# Altium PCB camera_module_PCB_V1R1.PcbDoc (part 2 of 2)
Units mil, origin at the board's own origin, x right, y up, seen from the top; angles counter-clockwise.
Board outline 5500 x 3000 mil, 4 copper layers (Component Side, Ground Plane, Power Plane, Solder Side), stack 33.234 mil thick; 119 components, 159 nets, 634 pads, 323 vias.
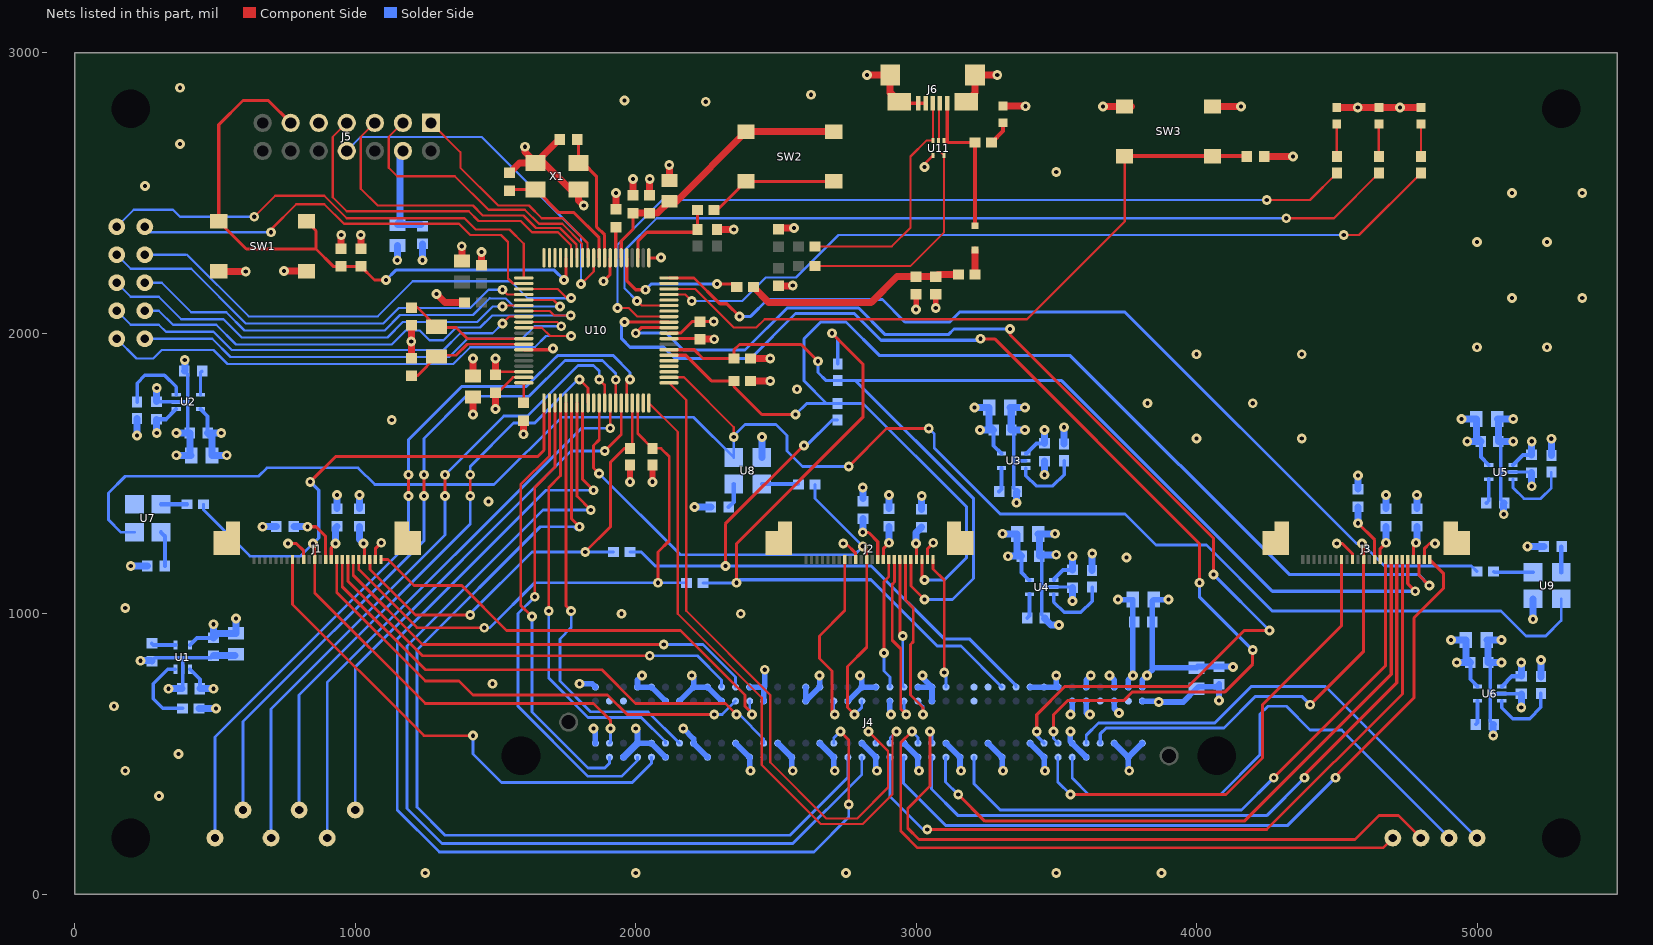
[diagram p4: the nets of this part, all layers, seen from the top]

## Via types
v1: diameter 35, hole 15, Component Side to Solder Side, 323 vias

## Nets (pads, with @x,y where several pads share a name; then routed paths per layer and width w, separated by ;. In a path a pad name is that pad's centre, name@x,y a point inside that pad or via, vN(x,y) a via of type N, cw(c..) or ccw(c..) an arc to the next point about the centre after c; other vN are vias at no path point) (continued)
GND: C1.2 C2.2 C3.2 C4.2 C5.2 C6.2 C7.2 C8.2 C9.2 C10.2 C11.2 C12.2 C13.2 C14.2 C15.2 C16.2 C17.2 C18.2 C19.2 C20.2 C21.2 C22.2 C23.2 C24.2 C25.2 C26.2 C27.2 C28.2 C29.2 C30.2 C31.2 C32.2 C33.2 C34.2 C35.2 C36.2 C37.2 C38.2 C39.2 C40.2 C41.2 C42.2 C45.2 C47.2 C48.2 C50.2 C51.2 C52.2 C54.2 C55.2 C56.2 C57.2 C58.1 C59.1 C60.2 C61.2 C62.2 C63.2 C64.2 C65.2 C66.2 D1.2 D3.2 D4.2 D5.2 J1.2 J1.15 J1.SH J2.2 J2.15 J2.SH J3.2 J3.15 J3.SH J4.C1 J4.C4 J4.C5 J4.C8 J4.C9 J4.C12 J4.C13 J4.C16 J4.C17 J4.C20 J4.C21 J4.C24 J4.C25 J4.C28 J4.C29 J4.C32 J4.C33 J4.C34 J4.C36 J4.C38 J4.C40 J4.D2 J4.D3 J4.D6 J4.D7 J4.D10 J4.D13 J4.D16 J4.D19 J4.D22 J4.D25 J4.D28 J4.D35 J4.D37 J4.D39 J4.G1 J4.G4 J4.G5 J4.G8 J4.G11 J4.G14 J4.G17 J4.G20 J4.G23 J4.G26 J4.G29 J4.G32 J4.G35 J4.G38 J4.G40 J4.H3 J4.H6 J4.H9 J4.H12 J4.H15 J4.H18 J4.H21 J4.H24 J4.H27 J4.H30 J4.H33 J4.H36 J4.H39 J5.9 J6.4 J6.5 J6.6 R33.2 SW1.3 SW1.4 SW3.3 SW3.4 U1.2 U2.2 U3.2 U4.2 U5.2 U6.2 U7.2 U8.2 U9.2 U10.14 U10.19 U10.49 U10.61 U10.68 U11.4 X1.2 X1.4 | length 12077.5
  Component Side w10: C50.2@1500,1788.5 1508.5,1788.5 1562.68,1842.68 U10.19@1601.14,1842.68
  Component Side w11: v1(760,1250) 790,1250 816.06,1223.94 J1.15@816.06,1192.6 ; J1.2@1071.97,1192.6 1071.97,1231.81 v1(1092.76,1252.6) ; U10.14@1601.14,1941.1 1701.1,1941.1 v1(1705,1945) ; v1(1885,2185) 1909.21,2209.21 U10.68@1909.21,2268.86 ; U10.61@2047.01,2268.86 2088.86,2268.86 v1(2090,2270) ; U10.49@2118.86,1980.47 2228.03,1980.47 C51.2@2230,1978.5 ; v1(2740,1250) 2750,1250 2784.57,1215.43 J2.15@2784.57,1192.6 ; v1(3030,2593.11) 3030,2603.11 U11.4@3060.31,2633.43 ; J2.2@3040.47,1192.6 3040.47,1231.81 v1(3061.26,1252.6) ; v1(4500,1250) 4520,1250 4556.22,1213.78 J3.15@4556.22,1192.6 ; J3.2@4812.13,1192.6 4812.13,1231.81 4830.31,1250 v1(4850,1250)
  Component Side w12: v1@2815,2920 v1@2825,2920
  Component Side w14: J6.6@2939.92,2824.92 2944.84,2820 J6.5@3008.23,2820 J6.4@3033.82,2820
  Component Side w20: v1(3000,2085) C61.2@3000,2138.5 ; v1(3070,2090) C62.2@3070,2138.5
  Component Side w25: SW1.3@514.92,2220 v1(610,2220) ; v1(746.5,2221.42) SW1.4@828.58,2221.42 ; C57.2@1020,2301.5 v1(1020,2350) ; C42.2@1200,1911.5 v1(1200,1970) C41.2@1200,2028.5 ; C45.2@1380,2257.4 v1(1380,2310) ; v1(1420,1710) C48.2@1420,1772.6 ; C47.2@1450,2241.5 v1(1450,2290) ; v1(1500,1730) C50.2@1500,1788.5 ; C40.2@1550,2571.5 1585.75,2607.24 X1.2@1643.23,2607.24 ; v1(1600,1640) C56.2@1600,1688.5 ; v1(1605,2665) 1605,2645.47 X1.2@1643.23,2607.24 ; C65.2@1728.5,2690 1725.98,2690 X1.2@1643.23,2607.24 ; v1(1815,2455) 1796.77,2473.23 X1.4@1796.77,2512.76 1767.24,2512.76 1672.76,2607.24 X1.2@1643.23,2607.24 ; C55.2@1930,2441.5 v1(1930,2500) ; C60.2@1990,2491.5 v1(1990,2550) ; C59.1@2050,2491.5 v1(2050,2550) ; C58.1@2120,2544.8 v1(2120,2600) ; C51.2@2230,1978.5 v1(2280,1978.5) ; R33.2@2290,2369.53 2349.53,2369.53 v1(2350,2370) ; C64.2@2510,2168.5 2558.5,2168.5 v1(2560,2170) ; C63.2@2510,2371.5 2513.5,2375 v1(2565,2375) ; v1@2825,2920 2825.39,2920.39 J6.6@2907.64,2920.39 2907.64,2857.2 J6.6@2939.92,2824.92 ; J6.6@3178.5,2824.92 3209.61,2856.02 J6.6@3209.61,2920.39 v1(3289.61,2920.39) ; D1.2@3310,2809.53 v1(3389.53,2809.53) v1@3390,2810 ; v1(3666.42,2808.58) SW3.4@3768.5,2808.58 ; SW3.3@4056.5,2808.58 v1(4158.58,2808.58) ; D5.2@4500,2804.53 D4.2@4650,2804.53 D3.2@4800,2804.53
  Solder Side w12: C10.2@274.65,830.79 286.14,842.28 385,842.28 ; C6.2@292.28,1756.14 293.43,1755 U2.2@361.69,1755 402.28,1755 ; C2.2@383.15,732.28 C2.2@384.65,733.78 ; C2.2@385,734.13 U1.2@385,801.69 385,842.28 ; C11.2@390.79,1864.65 402.28,1853.15 402.28,1755 ; 392.28,1754.65 402.28,1744.65 ; C7.2@410.79,1644.65 402.28,1653.15 402.28,1744.65 ; C3.2@494.65,850.79 486.14,842.28 385,842.28 ; C14.2@3339.21,1655.28 3347.72,1646.77 3347.72,1555.28 ; 3357.72,1545.28 3347.72,1555.28 ; C21.2@3359.21,1435.28 3347.72,1446.77 3347.72,1545 ; U3.2@3391.02,1545 3347.72,1545 ; C18.2@3439.21,1204.72 3447.72,1196.22 3447.72,1104.72 3457.44,1095 ; C13.2@3456.22,1545.28 C13.2@3457.72,1543.78 ; C22.2@3459.21,984.72 3447.72,996.22 3447.72,1095 3457.44,1095 ; C17.2@3557.72,1093.23 3555.94,1095 U4.2@3491.02,1095 3457.44,1095 ; C29.2@5039.21,825.59 5047.72,817.09 5047.72,725.59 ; 5057.72,715.59 5047.72,725.59 ; C33.2@5059.21,605.59 5047.72,617.09 5047.72,715 ; C25.2@5076.5,1614.41 5085,1605.91 5085,1505 ; C32.2@5096.5,1394.41 5085,1405.91 5085,1505 ; C28.2@5157.72,714.09 5156.22,715.59 5155.63,715 U6.2@5088.31,715 5047.72,715 ; C24.2@5192.91,1505 U5.2@5128.31,1505 5085,1505 ; C24.2@5193.5,1504.41 C24.2@5195,1502.91 ; 402.28,1744.65 402.28,1755 ; 3347.72,1545 3347.72,1555.28 ; 5047.72,715 5047.72,725.59
  Solder Side w20: v1(1800,750) 1844.57,750 J4.C1@1856.5,738.07 ; v1(1850,590) 1856.5,583.5 J4.G1@1856.5,538.07 ; v1(2000,590) 2006.5,583.5 J4.G4@2006.5,538.07 J4.G5@2056.5,538.07 J4.H6@2106.5,488.07 ; v1(2022.99,780) 2006.5,763.5 J4.C4@2006.5,738.07 J4.C5@2056.5,738.07 J4.D6@2106.5,688.07 ; J4.D7@2156.5,688.07 J4.C8@2206.5,738.07 ; v1(2170,590) 2206.5,553.5 J4.G8@2206.5,538.07 J4.H9@2256.5,488.07 ; v1(2200,780) 2206.5,773.5 J4.C8@2206.5,738.07 ; J4.D10@2306.5,688.07 J4.C9@2256.5,738.07 J4.C8@2206.5,738.07 ; J4.G11@2356.5,538.07 J4.H12@2406.5,488.07 2406.5,443.5 v1(2410,440) ; J4.C12@2406.5,738.07 J4.C13@2456.5,738.07 ; J4.D13@2456.5,688.07 J4.C13@2456.5,738.07 ; v1(2460,800) 2460,741.57 J4.C13@2456.5,738.07 ; J4.G14@2506.5,538.07 J4.H15@2556.5,488.07 2556.5,443.5 v1(2560,440) ; J4.C16@2606.5,738.07 J4.D16@2606.5,688.07 J4.C17@2656.5,738.07 2656.5,778.5 v1(2655,780) ; J4.G17@2656.5,538.07 J4.H18@2706.5,488.07 2706.5,443.5 v1(2710,440) ; J4.D19@2756.5,688.07 J4.C20@2806.5,738.07 ; v1(2800,780) 2806.5,773.5 J4.C20@2806.5,738.07 ; J4.G20@2806.5,538.07 J4.H21@2856.5,488.07 2856.5,443.5 v1(2860,440) ; J4.C21@2856.5,738.07 J4.C20@2806.5,738.07 ; J4.D22@2906.5,688.07 2906.5,643.5 v1(2910,640) ; J4.G23@2956.5,538.07 J4.H24@3006.5,488.07 3006.5,443.5 v1(3010,440) ; J4.C24@3006.5,738.07 J4.C25@3056.5,738.07 ; v1@3018.78,775.79 v1(3022.99,780) ; v1@3022.99,771.57 J4.C25@3056.5,738.07 ; J4.D25@3056.5,688.07 J4.C25@3056.5,738.07 ; J4.G26@3106.5,538.07 J4.H27@3156.5,488.07 3156.5,443.5 v1(3160,440) ; J4.G29@3256.5,538.07 J4.H30@3306.5,488.07 3306.5,443.5 v1(3310,440) ; J4.G32@3406.5,538.07 J4.H33@3456.5,488.07 3456.5,443.5 v1(3460,440) ; J4.C32@3406.5,738.07 J4.C33@3456.5,738.07 J4.C34@3506.5,738.07 3500,744.57 v1(3500,780) ; v1(3550,580) 3550,544.57 J4.G35@3556.5,538.07 J4.H36@3606.5,488.07 ; v1(3550,640) 3556.5,646.5 J4.D35@3556.5,688.07 ; J4.C36@3606.5,738.07 3606.5,763.5 v1(3622.99,780) ; v1(3690,780) 3706.5,763.5 J4.C38@3706.5,738.07 ; J4.G38@3706.5,538.07 J4.H39@3756.5,488.07 ; v1(3760,440) 3756.5,443.5 J4.H39@3756.5,488.07 ; J4.G40@3806.5,538.07 J4.H39@3756.5,488.07 ; J4.C40@3806.5,738.07 3806.5,763.3 3808.49,765.3 3808.49,765.5 v1(3822.99,780) 3841.5,798.5 ; v1(3900,1050) C37.2@3847.4,1050 3841.5,1044.09 C38.2@3841.5,970 3841.5,798.5 ; v1(4130,810) 4128.5,811.5 C39.2@4080,811.5 4004.09,811.5 C66.2@4000,807.4 3850.39,807.4 3841.5,798.5
  Solder Side w25: v1(200,1170) C34.2@258.5,1170 ; v1(234.65,832.28) 273.15,832.28 C10.2@274.65,830.79 ; C6.2@292.28,1756.14 v1(292.28,1804.65) ; v1(334.65,732.28) C2.2@383.15,732.28 ; v1(362.28,1564.65) C8.2@414.88,1564.65 ; v1(362.28,1644.65) C7.2@410.79,1644.65 C8.2@410.79,1568.74 ; C11.2@390.79,1864.65 392.28,1866.14 v1(392.28,1904.65) ; C3.2@494.65,850.79 C4.2@570.55,850.79 ; v1(670,1310) C1.2@718.5,1310 ; C5.2@935.28,1374.09 v1(935.28,1422.6) ; C9.2@1015.28,1374.09 v1(1015.28,1422.6) ; v1(1150,2260) C52.2@1150,2312.6 ; v1(1240,2260) C54.2@1240,2318.5 ; J4.H3@1956.5,488.07 J4.G4@2006.5,538.07 ; v1(2210,1380) C35.2@2268.5,1380 ; U8.2@2450,1557.24 v1(2450,1630) ; C12.2@2810,1411.5 v1(2810,1450) ; C16.2@2903.78,1374.09 v1(2903.78,1422.6) ; C20.2@3020,1371.5 v1(3020,1420) ; C15.2@3335.12,1735.28 v1(3387.72,1735.28) ; C15.2@3339.21,1731.18 C14.2@3339.21,1655.28 v1(3387.72,1655.28) ; v1(3357.72,1395.28) 3357.72,1433.78 C21.2@3359.21,1435.28 ; C19.2@3435.12,1284.72 v1(3494.72,1284.72) ; C19.2@3439.21,1280.63 C18.2@3439.21,1204.72 3444.49,1210 v1(3500,1210) ; v1(3457.72,1495.28) C13.2@3457.72,1543.78 ; C22.2@3459.21,984.72 3457.72,983.23 3480.94,960 v1(3510,960) ; v1(3557.72,1044.72) C17.2@3557.72,1093.23 ; C23.2@4575.43,1444.09 v1(4575.43,1492.6) ; C27.2@4675.43,1374.09 v1(4675.43,1422.6) ; C31.2@4785.43,1374.09 v1(4785.43,1422.6) ; C30.2@5035.12,905.59 v1(5087.72,905.59) ; C30.2@5039.21,901.5 C29.2@5039.21,825.59 v1(5087.72,825.59) ; v1(5057.72,565.59) 5057.72,604.09 C33.2@5059.21,605.59 ; C26.2@5072.4,1694.41 v1(5129.41,1694.41) ; C26.2@5076.5,1690.31 C25.2@5076.5,1614.41 v1(5129.41,1614.41) ; v1(5095,1354.41) 5095,1392.91 C32.2@5096.5,1394.41 ; v1(5157.72,665.59) C28.2@5157.72,714.09 ; v1(5180,1240) C36.2@5238.5,1240 ; v1(5195,1454.41) C24.2@5195,1502.91 ; v1(5200,980) U9.2@5200,1052.76
  other v1: 1250,75 2000,75 2750,75 3500,75 3875,75 300,350 180,440 370,500 140,670 1490,750 1950,1000 2375,1000 180,1020 3750,1200 1475,1400 4000,1625 4375,1625 1130,1690 3825,1750 4200,1750 2575,1800 4000,1925 4375,1925 5000,1950 5250,1950 5125,2125 5375,2125 5000,2325 5250,2325 5125,2500 5375,2500 250,2525 3500,2575 375,2675 4575,2804.53 4725,2804.53 2250,2825 1960,2830 2625,2850 375,2875 2825,2920.39
HREF_1: J1.9 J4.D11 | length 1739.5
  Component Side w10: J1.9@934.17,1192.6 934.17,1075.83 1250,760 1370,760 1420,710 1900,710 1970,640 v1(2280,640)
  Solder Side w10: v1(2280,640) 2308.43,640 J4.D11@2356.5,688.07
HREF_2: J2.9 J4.C22 | length 470.8
  Component Side w10: v1(2885,860) 2885,1115 2902.68,1132.68 J2.9@2902.68,1192.6
  Solder Side w10: v1(2885,860) 2885,795 2906.5,773.5 J4.C22@2906.5,738.07
HREF_3: J3.9 J4.H28 | length 2192.4
  Component Side w11: v1(4275,415) 4275,415.67 4674.33,815 J3.9@4674.33,1192.6
  Solder Side w11: J4.H28@3206.5,488.07 3206.5,393.5 3300,300 4160,300 v1(4275,415)
JTAG_/RST: C57.1 J5.11 R25.1 SW1.1 SW1.2 U10.76 | length 2211.4
  Component Side w11: J5.11@770,2750 690,2830 600,2830 513.5,2743.5 SW1.1@513.5,2398.58 612.09,2300 860,2300 ; SW1.2@826.5,2398.58 860,2365.08 860,2300 ; v1(1110,2190) 1068.5,2190 C57.1@1020,2238.5 R25.1@950,2238.5 921.5,2238.5 860,2300 ; v1(1745,2190) 1751.73,2196.73 U10.76@1751.73,2268.86
  Solder Side w11: v1(1110,2190) 1145,2225 1710,2225 v1(1745,2190)
JTAG_TCK: J5.7 U10.75 | length 1251.6
  Component Side w8: J5.7@970,2750 920,2700 920,2485 970,2435 1405,2435 1440,2400 1590,2400 1630,2360 1722.83,2360 1769.64,2313.19 1769.64,2270.64 U10.75@1771.42,2268.86
JTAG_TDI: J5.3 U10.73 | length 1032.9
  Component Side w8: J5.3@1170,2750 1120,2700 1120,2590 1150,2560 1355,2560 1475,2440 1605,2440 1655,2390 1738.08,2390 1809.01,2319.07 1809.01,2270.64 U10.73@1810.79,2268.86
JTAG_TDO: J5.1 U10.72 | length 822.1
  Component Side w8: J5.1@1270,2750 1375,2645 1375,2590 1510,2455 1620,2455 1665,2410 1740.71,2410 1828.69,2322.02 1828.69,2270.64 U10.72@1830.47,2268.86
JTAG_TEST: J5.8 U10.71 | length 1285.3
  Component Side w8: v1(1805,2175) 1850.16,2220.16 U10.71@1850.16,2268.86
  Solder Side w8: J5.8@970,2650 1020,2700 1450,2700 1805,2345 v1(1805,2175)
JTAG_TMS: J5.5 U10.74 | length 1155.4
  Component Side w8: J5.5@1070,2750 1020,2700 1020,2515 1080,2455 1420,2455 1455,2420 1600,2420 1645,2375 1730.45,2375 1789.32,2316.13 1789.32,2270.64 U10.74@1791.1,2268.86
NetC10_1: C10.1 U1.4 | length 87
  Solder Side w14: C10.1@274.65,893.78 280.12,888.31 U1.4@359.41,888.31
NetC11_1: C11.1 U2.4 | length 86.3
  Solder Side w12: U2.4@448.31,1780.59 448.31,1859.17 C11.1@453.78,1864.65
NetC21_1: C21.1 U3.4 | length 87.5
  Solder Side w14: C21.1@3296.22,1435.28 3304.41,1443.46 U3.4@3304.41,1519.41
NetC22_1: C22.1 U4.4 | length 88.1
  Solder Side w14: C22.1@3396.22,984.72 3404.41,992.91 U4.4@3404.41,1069.41
NetC32_1: C32.1 U5.4 | length 88.4
  Solder Side w14: C32.1@5033.5,1394.41 5041.69,1402.6 U5.4@5041.69,1479.41
NetC33_1: C33.1 U6.4 | length 86.1
  Solder Side w14: C33.1@4996.22,605.59 5001.69,611.06 U6.4@5001.69,689.41
NetC34_1: C34.1 U7.4 | length 125.9
  Solder Side w15: U7.4@307.24,1290 321.5,1275.75 C34.1@321.5,1170
NetC35_1: C35.1 U8.4 | length 90.4
  Solder Side w15: C35.1@2331.5,1380 2350,1398.5 U8.4@2350,1462.76
NetC36_1: C36.1 U9.4 | length 91.3
  Solder Side w15: U9.4@5300,1147.24 C36.1@5300,1238.5
NetC55_1: C55.1 U10.67 | length 110.1
  Component Side w11: U10.67@1928.9,2268.86 1928.9,2377.4 C55.1@1930,2378.5
NetC56_1: C56.1 U10.20 | length 73.6
  Component Side w10: C56.1@1600,1751.5 1601.14,1752.64 U10.20@1601.14,1822.99
  Component Side w11: U10.20@1600,1821.85 U10.20@1601.14,1822.99
NetD1_1: D1.1 R27.1 | length 87.2
  Component Side w15: R27.1@3269.53,2680 3310,2720.47 D1.1@3310,2750.47
NetD2_1: D2.1 R28.2 | length 86.9
  Component Side w25: R28.2@3209.53,2210 3209.53,2296.22 D2.1@3210,2296.69
NetD2_3: D2.3 J6.1 R27.2 U11.1 | length 542.9
  Component Side w11: 3106.26,2680 R27.2@3210.47,2680
  Component Side w12: 3106.26,2680 3110.59,2684.33 J6.1@3110.59,2820
  Component Side w15: D2.3@3210,2383.31 3210,2679.53 R27.2@3210.47,2680
NetD3_1: D3.1 R4.1 | length 115.9
  Component Side w8: R4.1@4800,2629.53 D3.1@4800,2745.47
NetD4_1: D4.1 R7.1 | length 115.9
  Component Side w8: R7.1@4650,2629.53 D4.1@4650,2745.47
NetD5_1: D5.1 R8.1 | length 115.9
  Component Side w8: R8.1@4500,2629.53 D5.1@4500,2745.47
NetJ4_C30: J4.C30 R16.2 R17.2 | length 2480.6
  Component Side w11: v1(2360,1110) 2360,1250 2810,1700 2810,1890 v1(2700,2000)
  Solder Side w11: R16.2@2239.53,1110 v1(2360,1110) ; v1@2360,1120 v1(2360,1110) ; v1(2700,2000) 2720.47,1979.53 R17.2@2720.47,1890 ; J4.C30@3306.5,738.07 3160,884.57 3075.43,884.57 2839,1121 2371,1121 v1(2360,1110)
NetJ4_C31: J4.C31 R18.2 R19.2 | length 2283.2
  Component Side w11: v1(2320,1170) 2320,1320 v1(2600,1600)
  Solder Side w11: R18.2@1979.53,1220 2020,1220 2070,1170 v1(2320,1170) 2840,1170 3100,910 3190,910 3356.5,743.5 J4.C31@3356.5,738.07 ; v1(2600,1600) 2610,1600 2700.47,1690.47 R19.2@2720,1690.47
NetJ4_G24: J4.G24 pad.2@4700,200 | length 2216.8
  Component Side w10: v1(2985,580) 2945,540 2945,225 3005,165 4665,165 pad.2@4700,200
  Solder Side w10: v1(2985,580) 3006.5,558.5 J4.G24@3006.5,538.07
NetJ4_G25: J4.G25 pad.2@4800,200 | length 2337.7
  Component Side w10: v1(3050,580) 3050,385 2970,305 2970,235 3010,195 4565,195 4650,280 4720,280 pad.2@4800,200
  Solder Side w10: v1(3050,580) 3056.5,573.5 J4.G25@3056.5,538.07
NetJ4_G36: J4.G36 pad.2@5000,200 | length 1717.5
  Solder Side w10: J4.G36@3606.5,538.07 3606.5,566.5 3650,610 4065,610 4195,740 4460,740 pad.2@5000,200
NetJ4_H35: J4.H35 pad.2@4900,200 | length 1853.8
  Solder Side w10: J4.H35@3556.5,488.07 3556.5,413.5 3615,355 4085,355 4225,495 4225,640 4255,670 4320,670 4405,585 4517.32,585 4900,202.32 pad.2@4900,200
NetJ6_2: J6.2 R30.2 U11.2 U11.5 | length 978.6
  Component Side w7: R30.2@2639.53,2239.53 2979.53,2239.53 3099.69,2359.68 U11.5@3099.69,2633.43 3082.28,2650.83 3082.28,2817.28 J6.2@3085,2820
NetJ6_3: J6.3 R32.2 U11.3 | length 857.6
  Component Side w7: R32.2@2639.53,2309.53 2913.27,2309.53 2980,2376.26 2980,2630 3037.48,2687.48 3059.41,2687.48 J6.3@3059.41,2820
NetR1_2: R1.2 U1.3 | length 273.4
  Solder Side w12: U1.3@359.41,801.69 331.69,801.69 280,750 280,695.98 313.7,662.28 R1.2@384.65,662.28
NetR2_2: R2.2 U2.3 | length 264
  Solder Side w12: R2.2@222.28,1754.17 222.28,1822.28 250,1850 320,1850 361.69,1808.31 U2.3@361.69,1780.59
NetR5_2: R5.2 U3.3 | length 242.7
  Solder Side w12: 3391.02,1491.97 U3.3@3391.02,1519.41 ; 3393.31,1489.68 3427.72,1455.28 3487.72,1455.28 3527.72,1495.28 R5.2@3527.72,1545.28
NetR6_2: R6.2 U4.3 | length 246.9
  Solder Side w12: U4.3@3491.02,1069.41 3491.02,1041.42 3527.72,1004.72 3587.72,1004.72 3627.72,1044.72 R6.2@3627.72,1095.2
NetR9_2: R9.2 U5.3 | length 255.6
  Solder Side w10: U5.3@5128.31,1479.41 5128.31,1448.98 5167.28,1410 5227.28,1410 5265,1447.72 R9.2@5265,1504.41
NetR10_2: R10.2 U6.3 | length 247.2
  Solder Side w12: U6.3@5088.31,689.41 5088.31,665 5127.72,625.59 5187.72,625.59 5227.72,665.59 R10.2@5227.72,716.06
NetR13_1: R13.1 U7.3 | length 93.2
  Solder Side w15: U7.3@307.24,1390 R13.1@400.47,1390
NetR14_1: R14.1 U8.3 | length 127.7
  Solder Side w15: U8.3@2450,1462.76 R14.1@2577.72,1462.76
NetR15_1: R15.1 U9.3 | length 141.6
  Solder Side w12: R15.1@5059.53,1150 5062.28,1147.24 U9.3@5200,1147.24
NetR26_2: R26.2 U10.65 | length 499.9
  Component Side w11: U10.65@1968.27,2268.86 1968.27,2186.73 2000,2155 v1(2035,2155) ; v1(2290,2175) 2350.47,2175 R26.2@2360.47,2165
  Solder Side w11: v1(2035,2155) 2055,2175 v1(2290,2175)
NetR29_2: R29.2 SW2.3 SW2.4 | length 469
  Component Side w11: R29.2@2279.53,2440 2292.09,2440 SW2.3@2393.5,2541.42 SW2.4@2706.5,2541.42
OSC_EN: U7.1 U8.1 U9.1 U10.42 | length 6627.7
  Component Side w8: U10.42@2118.86,1842.68 2172.32,1842.68 2350,1665 v1(2350,1630)
  Component Side w10: v1(2760,1525) 2895,1660 v1(3045,1660)
  Solder Side w10: U7.1@212.76,1290 165,1290 120,1335 120,1430 180,1490 655,1490 685,1520 1010,1520 1070,1460 1495,1460 1735,1700 2207.24,1700 U8.1@2350,1557.24 2350,1635 2390,1675 2500,1675 2540,1635 2540,1580 2595,1525 v1(2760,1525) ; v1(3045,1660) 3065,1640 3065,1590 3300,1355 3745,1355 3855,1245 4035,1245 4270,1010 5085,1010 5175,920 5245,920 5300,975 U9.1@5300,1052.76
P1.1: J4.H2 U10.22 | length 1548
  Component Side w10: v1(1630,990) 1590,1030 1590,1460 1692.68,1562.68 U10.22@1692.68,1751.14
  Solder Side w10: v1(1630,990) 1630,650 1830,450 1890,450 1906.5,466.5 J4.H2@1906.5,488.07
P1.2: J4.H4 U10.23 | length 1701
  Component Side w10: v1(1640,1060) 1640,1450 1712.36,1522.36 U10.23@1712.36,1751.14
  Solder Side w10: v1(1640,1060) 1580,1000 1580,670 1830,420 1950,420 2006.5,476.5 J4.H4@2006.5,488.07
P1.3: J4.G6 U10.24 | length 1514.3
  Component Side w10: v1(1690,1010) 1690,1450 1732.05,1492.05 U10.24@1732.05,1751.14
  Solder Side w10: v1(1690,1010) 1690,770 1830,630 2020,630 2106.5,543.5 J4.G6@2106.5,538.07
P1.4: J4.G7 U10.25 | length 1533.7
  Component Side w10: U10.25@1751.73,1751.14 1751.73,1028.27 v1(1770,1010)
  Solder Side w10: v1(1770,1010) 1770,950 1730,910 1730,760 1840,650 2044.57,650 J4.G7@2156.5,538.07
P1.5: J4.H19 U10.26 | length 3504.4
  Component Side w10: U10.26@1771.42,1751.14 1771.42,1338.58 v1(1800,1310)
  Solder Side w10: v1@1790,1300 1780,1310 1660,1310 1220,870 1220,310 1320,210 2550,210 2756.5,416.5 J4.H19@2756.5,488.07
P1.6: J4.H20 U10.27 | length 3674.2
  Component Side w10: U10.27@1791.1,1751.14 1791.1,1418.9 v1(1840,1370)
  Solder Side w10: v1(1840,1370) 1670,1370 1185,885 1185,305 1310,180 2560,180 2806.5,426.5 J4.H20@2806.5,488.07
P1.7: J4.G18 U10.28 | length 3950.2
  Component Side w10: U10.28@1810.79,1751.14 1810.79,1479.21 v1(1850,1440) ; v1(2730,580) 2760,550 v1(2760,320)
  Solder Side w10: v1(1850,1440) 1680,1440 1150,910 1150,300 1300,150 2635.46,150 2760,274.54 v1(2760,320) ; J4.G18@2706.5,538.07 2706.5,556.5 v1(2730,580)
P2.0: pad.2@800,300 U10.29 | length 2092.6
  Component Side w10: v1(1410,1420) v1(1410,1495) ; v1(1800,1835) 1830.47,1804.53 U10.29@1830.47,1751.14
  Solder Side w10: pad.2@800,300 800,710 1410,1320 v1(1410,1420) ; v1(1410,1495) 1410,1525 1565,1680 1640,1680 1795,1835 v1(1800,1835)
P2.1: U10.30
P2.3: pad.2@700,200 U10.32 | length 2383.6
  Component Side w10: v1@1320,1430 v1(1320,1495) ; v1(1870,1835) 1889.53,1815.47 U10.32@1889.53,1751.14
  Solder Side w10: pad.2@700,200 700,660 1320,1280 v1(1320,1420) ; v1(1320,1495) 1530,1705 1615,1705 1795,1885 1850,1885 1870,1865 v1(1870,1835)
P2.4: pad.2@900,200 U10.33 | length 2030.9
  Component Side w10: U10.33@1909.21,1751.14 v1(1909.21,1660.79) v1@1910,1660
  Solder Side w10: pad.2@900,200 900,755 1805.79,1660.79 v1(1909.21,1660.79)
P2.5: pad.2@600,300 U10.34 | length 2515.6
  Component Side w10: v1(1245,1420) v1(1245,1495) ; U10.34@1928.9,1751.14 v1(1928.9,1833.9)
  Solder Side w10: pad.2@600,300 600,615 1245,1260 v1(1245,1420) ; v1(1245,1495) 1245,1625 1395,1775 1620,1775 1748,1903 1882,1903 1928.9,1856.1 v1(1928.9,1833.9)
P2.6: pad.2@1000,300 U10.35 | length 1914.4
  Component Side w10: v1(1890,1580) 1948.58,1638.58 U10.35@1948.58,1751.14
  Solder Side w10: pad.2@1000,300 1000,810 1770,1580 v1(1890,1580)
P2.7: pad.2@500,200 U10.36 | length 2758.6
  Component Side w10: v1(1190,1420) v1(1190,1495) ; U10.36@1968.27,1751.14 1968.27,1823.27 v1(1980,1835)
  Solder Side w10: pad.2@500,200 500,560 1190,1250 v1(1190,1420) ; v1(1190,1495) 1190,1620 1380,1810 1610,1810 1715.5,1915.5 1717.22,1915.5 1721.72,1920 1920,1920 1980,1860 v1(1980,1835)
P3.2: U10.39
P3.6: U10.43
P3.7: U10.44
P4.0: U10.45
P4.6: R8.2 U10.53 | length 3092.4
  Component Side w8: v1(1935,2090) 1975,2090 2005.79,2059.21 U10.53@2118.86,2059.21 ; v1(4250,2475) 4404.53,2475 R8.2@4500,2570.47
  Solder Side w8: v1(1935,2090) 1935,2315 2095,2475 v1(4250,2475)
P4.7: U10.54
P5.0: pad.2@250,1980 U10.9 | length 1697.4
  Component Side w8: U10.9@1601.14,2039.53 1720.47,2039.53 v1(1735,2025)
  Solder Side w8: pad.2@250,1980 490,1980 555,1915 1335,1915 1400,1980 1595,1980 1640,2025 v1(1735,2025)
P5.1: pad.2@150,1980 U10.10 | length 1904.8
  Component Side w8: U10.10@1601.14,2019.84 1665.16,2019.84 1695,1990 v1(1770,1990)
  Solder Side w8: pad.2@150,1980 220,1910 280,1910 310,1940 495,1940 545,1890 1350,1890 1410,1950 1640,1950 1680,1990 v1(1770,1990)
P5.6: R7.2 U10.55 | length 3123.9
  Component Side w8: v1(2005,2115) 2021.42,2098.58 U10.55@2118.86,2098.58 ; v1(4320,2410) 4490,2410 4489.76,2410.24 R7.2@4650,2570.47
  Solder Side w8: v1(2005,2115) 1960,2160 1960,2295 2075,2410 v1(4320,2410)
P5.7: U10.56
P6.0: U10.77
P6.1: U10.78
P6.2: U10.79
P6.3: U10.80
P6.4: pad.2@150,2380 U10.1 | length 1710.2
  Component Side w8: v1(640,2415) 715,2490 890,2490 970,2410 1390,2410 1430,2370 1550,2370 1601.14,2318.86 U10.1@1601.14,2197.01
  Solder Side w8: pad.2@150,2380 210,2440 350,2440 375,2415 v1(640,2415)
P6.5: pad.2@250,2380 U10.2 | length 1599.9
  Component Side w8: v1(700,2360) 700,2370 790,2460 890,2460 960,2390 1370,2390 1410,2350 1520,2350 1545,2325 1545,2195 1562.68,2177.32 U10.2@1601.14,2177.32
  Solder Side w8: pad.2@250,2380 270,2360 v1(700,2360)
P6.6: pad.2@250,2280 U10.3 | length 1865.1
  Component Side w8: U10.3@1601.14,2157.64 1722.36,2157.64 1755,2125 v1(1770,2125)
  Solder Side w8: pad.2@250,2280 395,2280 ; 400,2280 620,2060 1080,2060 1205,2185 1555,2185 1615,2125 v1(1770,2125)
P6.7: pad.2@150,2280 U10.4 | length 1609.4
  Component Side w8: v1(1525,2155) 1542.05,2137.95 U10.4@1601.14,2137.95
  Solder Side w8: pad.2@150,2280 200,2230 415,2230 610,2035 1100,2035 1155,2090 1410,2090 1475,2155 v1(1525,2155)
P7.0: pad.2@250,2180 U10.5 | length 1749
  Component Side w8: U10.5@1601.14,2118.27 1706.73,2118.27 v1(1730,2095)
  Solder Side w8: pad.2@250,2180 310,2180 415,2075 540,2075 605,2010 1105,2010 1160,2065 1420,2065 1480,2125 1481.5,2123.5 1536.8,2123.5 1565.3,2095 v1(1730,2095)
P7.1: pad.2@150,2180 U10.6 | length 1579
  Component Side w8: v1(1525,2095) 1528.58,2098.58 U10.6@1601.14,2098.58
  Solder Side w8: pad.2@150,2180 200,2130 300,2130 380,2050 530,2050 595,1985 1115,1985 1170,2040 1435,2040 1490,2095 v1(1525,2095)
P7.2: pad.2@250,2080 U10.7 | length 1813.8
  Component Side w8: U10.7@1601.14,2078.9 1693.9,2078.9 1709.3,2063.5 v1(1768.5,2063.5)
  Solder Side w8: pad.2@250,2080 300,2080 350,2030 505,2030 575,1960 1130,1960 1180,2010 1230,2010 1265,1975 1315,1975 1360,2020 1445,2020 1488.5,2063.5 v1(1768.5,2063.5)
P7.3: pad.2@150,2080 U10.8 | length 1558.5
  Component Side w8: v1(1525,2035) 1549.21,2059.21 U10.8@1601.14,2059.21
  Solder Side w8: pad.2@150,2080 200,2030 300,2030 325,2005 495,2005 560,1940 1315,1940 1375,2000 1490,2000 v1(1525,2035)
P7.4: R4.2 U10.57 | length 2879.3
  Component Side w8: U10.57@2118.86,2137.95 2177.05,2137.95 v1(2200,2115) ; v1(4525,2350) 4579.53,2350 R4.2@4800,2570.47
  Solder Side w8: v1(2200,2115) 2380,2115 2463.5,2198.5 2571.8,2198.5 2723.3,2350 v1(4525,2350)
P7.5: R3.1 SW3.1 SW3.2 U10.58 | length 2504.9
  Component Side w8: U10.58@2118.86,2157.64 2212.36,2157.64 2350,2020 2430,2020 2460,2050 3395,2050 3743.5,2398.5 SW3.2@3743.5,2631.42
  Component Side w15: SW3.2@3743.5,2631.42 SW3.1@4056.5,2631.42 R3.1@4177.09,2631.42
P7.6: U10.59
PCLK_1: J1.17 J4.H5 | length 1790.3
  Component Side w10: J1.17@776.69,1192.6 776.69,1033.31 1245,565 v1(1420,565)
  Solder Side w10: v1(1420,565) 1420,500 1522,398 1988,398 2056.5,466.5 J4.H5@2056.5,488.07
PCLK_2: J2.17 J4.D18 | length 662.3
  Component Side w10: v1(2710,640) 2700,650 2700,795 2655,840 2655,920 2745.2,1010.2 J2.17@2745.2,1192.6
  Solder Side w10: J4.D18@2706.5,688.07 2706.5,643.5 v1(2710,640)
PCLK_3: J3.17 J4.H34 | length 1713.4
  Component Side w10: v1(3550,355) 4105,355 4235,485 4235,675 4516.85,956.85 J3.17@4516.85,1192.6
  Solder Side w10: J4.H34@3505,486.57 3505,400 v1(3550,355)
PUR: R29.1 R31.2 U10.63 | length 359.2
  Component Side w11: U10.63@2007.64,2268.86 2007.64,2327.64 2040,2360 2210.47,2360 R31.2@2220,2369.53 2220,2439.53 R29.1@2220.47,2440
PWDN_1: J1.8 J4.G13 | length 1839.3
  Component Side w10: J1.8@953.86,1192.6 953.86,1096.14 1250,800 1880,800 2000,680 2320,680 v1(2360,640)
  Solder Side w10: v1(2360,640) 2370,640 2456.5,553.5 J4.G13@2456.5,538.07
PWDN_2: J2.8 J4.D23 | length 628.6
  Component Side w10: J2.8@2922.36,1192.6 2923.14,1191.82 2923.14,1113.14 2915,1105 2915,905 2945,875 2945,660 v1(2965,640)
  Solder Side w10: J4.D23@2956.5,688.07 2956.5,648.5 v1(2965,640)
PWDN_3: J3.8 J4.H26 | length 2361.3
  Component Side w11: v1(3150,355) 3245,260 4170,260 4694.02,784.02 J3.8@4694.02,1192.6
  Solder Side w11: J4.H26@3106.5,488.07 3105,486.57 3105,400 v1(3150,355)
RESET#_1: J1.6 J4.C11 | length 1605
  Component Side w10: J1.6@993.23,1192.6 993.23,1136.77 1240,890 v1(2100,890)
  Solder Side w10: v1(2100,890) 2240,890 2356.5,773.5 J4.C11@2356.5,738.07
RESET#_2: J2.6 J4.D24 | length 642.8
  Component Side w10: J2.6@2961.73,1192.6 2961.73,1048.27 2990,1020 2990,900 2980,890 2980,710 3025,665 v1(3025,640)
  Solder Side w10: J4.D24@3006.5,688.07 3025,669.57 v1(3025,640)
RESET#_3: J3.6 J4.H22 | length 2695.6
  Component Side w10: v1(3040,230) 4250,230 4734.17,714.17 4734.17,1191.82 J3.6@4733.39,1192.6
  Solder Side w10: J4.H22@2906.5,488.07 2906.5,348.5 3025,230 v1(3040,230)
SIOC_1: J1.5 R16.1 R20.1 U10.38 | length 2077.2
  Component Side w10: J1.5@1012.91,1192.6 1012.91,1157.09 1220,950 v1(1460,950) ; U10.38@2007.64,1751.14 2007.64,1641.89 R20.1@2060,1589.53 2090.47,1589.53 2120,1560 2120,1260 2080,1220 v1(2080,1110)
  Solder Side w10: v1(1460,950) 1480,950 1640,1110 v1(2080,1110) R16.1@2180.47,1110
SIOC_2: J2.5 J3.5 R17.1 R23.1 U10.47 | length 4473.4
  Component Side w10: J2.5@2981.42,1192.6 2981.42,1098.58 v1(3030,1050)
  Component Side w11: U10.47@2118.86,1941.1 2208.9,1941.1 2240,1910 R23.1@2350.47,1910 2350.47,1940.47 2370,1960 2590,1960 v1(2650,1900) ; J3.5@4753.07,1192.6 4753.07,1106.93 v1(4780,1080)
  Solder Side w10: v1(3030,1050) 3130,1050 3205,1125 3205,1215
  Solder Side w11: v1(2650,1900) 2650,1860 2679.06,1830.94 R17.1@2720.47,1830.94 2784.06,1830.94 ; 3205,1215 3205,1410 2784.06,1830.94 ; v1(4780,1080) 4270,1080 3519.06,1830.94 2784.06,1830.94
SIOD_1: J1.3 R18.1 R21.1 U10.37 | length 1679.3
  Component Side w10: J1.3@1052.28,1192.6 1052.28,1157.72 1215,995 v1(1410,995) ; v1(1820,1220) 1910,1310 1910,1540 1959.53,1589.53 R21.1@1980,1589.53 1987.95,1597.48 U10.37@1987.95,1751.14
  Solder Side w10: v1(1410,995) 1410,1000 1630,1220 v1(1820,1220) R18.1@1920.47,1220
SIOD_2: J2.3 J3.3 R19.1 R22.1 U10.46 | length 4785.9
  Component Side w10: J2.3@3020.79,1192.6 3020.79,1129.21 v1(3030,1120)
  Component Side w11: U10.46@2118.86,1921.42 2178.58,1921.42 2270,1830 R22.1@2350.47,1830 2350.47,1809.53 2450,1710 v1(2570,1710) ; J3.3@4792.44,1192.6 4792.44,1137.56 v1(4830,1100)
  Solder Side w11: v1(2570,1710) 2609.53,1749.53 2680.47,1749.53 ; v1(3030,1120) 3100,1120 3180,1200 3180,1380 2810.47,1749.53 R19.1@2720,1749.53 2680.47,1749.53 ; v1(4830,1100) 4790,1140 4330,1140 3550,1920 2870,1920 2750,2040 2660,2040 2600,1980 2600,1830 2680.47,1749.53
STROBE_1: J1.1 J4.D12 | length 1625.2
  Component Side w10: J1.1@1091.65,1192.6 1117.4,1192.6 1210,1100 1380,1100 1540,940 2160,940 2390,710 2390,670 2420,640 v1(2415,640)
  Solder Side w10: v1@2406.5,648.5 J4.D12@2406.5,688.07
STROBE_2: J2.1 J4.C26 | length 474.1
  Component Side w10: J2.1@3060.16,1192.6 3060.16,1159.84 3100.5,1119.5 3100.5,790.5 v1(3100,790)
  Solder Side w10: v1(3100,790) 3106.5,783.5 J4.C26@3106.5,738.07
STROBE_3: J3.1 J4.H23 | length 2730.3
  Component Side w11: v1(4495,415) 4490,415 4775,700 4775,985 4880,1090 4880,1144.41 J3.1@4831.81,1192.6
  Solder Side w11: J4.H23@2956.5,488.07 2955,486.57 2955,395 3105,245 4325,245 v1(4495,415)
UCA0RXD: J4.G21 U10.41 | length 2332.9
  Component Side w8: U10.41@2118.86,1822.99 2180,1761.85 2180,1010 2480,710 2480,470 2680,270 2790,270 2900,380 2900,510 v1(2830,580)
  Solder Side w8: v1(2830,580) 2856.5,553.5 J4.G21@2856.5,538.07
UCA0TXD: J4.G22 U10.40 | length 2336.4
  Component Side w8: U10.40@2047.01,1751.14 2150,1648.15 2150,1000 2450,700 2450,460 2660,250 2810,250 2916,356 2916,566 v1(2930,580)
  Solder Side w8: J4.G22@2906.5,538.07 2906.5,556.5 v1(2930,580)
UCA1RXD: J4.G34 U10.52 | length 4124
  Component Side w11: v1@1960,2040 v1(1960.47,2039.53) U10.52@2118.86,2039.53 ; v1(3230,1980) 3280,1980 4010,1250 v1(4010,1110) ; v1(3490,580) 3490,640 3540,690 3740,690 3770,720 4100,720 4200,820 v1(4200,870)
  Solder Side w11: v1(1960.47,2039.53) 1950,2029.06 1950,1980 1980,1950 2100,1950 2140,1910 2410,1910 2570,2070 2780,2070 2875,1975 3225,1975 v1(3230,1980) ; v1(3490,580) 3490,554.57 J4.G34@3506.5,538.07 ; v1(4010,1110) 4010,1060 v1(4200,870)
UCA1TXD: J4.G33 U10.51 | length 4122
  Component Side w11: v1(2000,2000) 2019.84,2019.84 U10.51@2118.86,2019.84 ; v1(3335,2015) 3335,1995 4060,1270 v1(4060,1140) ; v1(3430,580) 3430,640 3530,740 3970,740 4170,940 v1(4260,940)
  Solder Side w11: v1(2000,2000) 2110,2000 2170,1940 2390,1940 2540,2090 2795,2090 2890,1995 3115,1995 3135,2015 v1(3335,2015) ; v1(3430,580) 3430,564.57 J4.G33@3456.5,538.07 ; v1(4060,1140) v1(4260,940)
VBUS: C61.1 C62.1 R26.1 R28.1 | length 795.1
  Component Side w25: R26.1@2419.53,2165 2474.53,2110 2840,2110 2931.5,2201.5 C61.1@3000,2201.5 C62.1@3070,2201.5 3078.5,2210 R28.1@3150.47,2210
VCC1V3_1: C3.1 C4.1 C5.1 J1.10 U1.5 | length 409.4
  Component Side w11: J1.10@914.49,1192.6 914.49,1234.49 v1(930,1250)
  Solder Side w14: U1.5@410.59,888.31 436.06,913.78 C3.1@494.65,913.78
  Solder Side w25: v1(494.65,962.28) C3.1@494.65,913.78 510.55,929.69 C4.1@574.65,929.69 v1(574.65,982.28) ; v1(930,1250) 930,1305.83 C5.1@935.28,1311.1
VCC1V3_2: C14.1 C15.1 C16.1 J2.10 U3.5 | length 408.9
  Component Side w11: J2.10@2882.99,1192.6 2882.99,1231.81 v1(2903.78,1252.6)
  Solder Side w14: 3276.22,1598.78 U3.5@3304.41,1570.59 ; 3276.22,1601.06 C14.1@3276.22,1655.28
  Solder Side w25: v1(2903.78,1252.6) C16.1@2903.78,1311.1 ; v1(3207.72,1735.28) C15.1@3260.31,1735.28 3260.31,1671.18 C14.1@3276.22,1655.28 v1(3227.72,1655.28)
VCC1V3_3: C25.1 C26.1 C27.1 J3.10 U5.5 | length 410.3
  Component Side w11: J3.10@4654.65,1192.6 4654.65,1231.81 v1(4675.43,1252.6)
  Solder Side w14: C25.1@5013.5,1614.41 5013.5,1558.78 U5.5@5041.69,1530.59
  Solder Side w25: v1(4675.43,1252.6) C27.1@4675.43,1311.1 ; v1(4945,1694.41) C26.1@4997.6,1694.41 4997.6,1630.31 C25.1@5013.5,1614.41 v1(4965,1614.41)
VCC2V8_1: C7.1 C8.1 C9.1 J1.4 U2.5 | length 408.7
  Component Side w11: v1(1030,1250) 1032.6,1247.4 J1.4@1032.6,1192.6
  Solder Side w14: U2.5@448.31,1729.41 473.78,1703.94 C7.1@473.78,1644.65
  Solder Side w25: v1(522.28,1644.65) C7.1@473.78,1644.65 489.69,1628.74 C8.1@489.69,1564.65 v1(542.28,1564.65) ; C9.1@1015.28,1311.1 1015.28,1264.72 v1(1030,1250)
VCC2V8_2: C18.1 C19.1 C20.1 J2.4 U4.5 | length 409.7
  Component Side w11: v1(3000,1250) 3001.1,1248.9 J2.4@3001.1,1192.6
  Solder Side w14: C18.1@3376.22,1204.72 3376.22,1146.06 3401.69,1120.59 U4.5@3404.41,1120.59
  Solder Side w25: v1(3000,1250) 3000,1288.5 C20.1@3020,1308.5 ; v1(3307.72,1284.72) C19.1@3360.31,1284.72 3360.31,1220.63 C18.1@3376.22,1204.72 v1(3327.72,1204.72)
VCC2V8_3: C29.1 C30.1 C31.1 J3.4 U6.5 | length 407
  Component Side w11: J3.4@4772.76,1192.6 4772.76,1243.39 v1(4781.97,1252.6)
  Solder Side w14: C29.1@4976.22,825.59 4976.22,766.06 U6.5@5001.69,740.59
  Solder Side w25: v1(4781.97,1252.6) 4785.43,1256.06 C31.1@4785.43,1311.1 ; v1(4907.72,905.59) C30.1@4960.31,905.59 4960.31,841.5 C29.1@4976.22,825.59 v1(4927.72,825.59)
VCC3V3: C1.1 C2.1 C6.1 C12.1 C13.1 C17.1 C23.1 C24.1 C28.1 C37.1 C38.1 C39.1 C48.1 C50.1 C51.1 C52.1 C54.1 C66.1 J1.11 J2.11 J3.11 J4.C39 J4.D36 J4.D38 J4.D40 J5.4 R1.1 R2.1 R3.2 R5.1 R6.1 R9.1 R10.1 R20.2 R21.2 R22.2 R23.2 R24.2 R25.2 U1.1 U2.1 U3.1 U4.1 U5.1 U6.1 U10.18 U10.50 | length 3867.9
  Component Side w10: C50.1@1500,1851.5 1510.87,1862.36 U10.18@1601.14,1862.36
  Component Side w11: v1(830,1310) 860,1310 894.8,1275.2 J1.11@894.8,1192.6 ; U10.50@2118.86,2000.16 2160.16,2000.16 2201.5,2041.5 C51.1@2230,2041.5 v1(2278.5,2041.5) ; v1(2810,1290) 2830,1290 ; 2833.62,1286.38 2863.31,1256.69 J2.11@2863.31,1192.6 ; v1(4575.43,1322.6) 4634.96,1263.07 J3.11@4634.96,1192.6
  Component Side w20: v1(1980,1470) R21.2@1980,1530.47 ; v1(2060,1470) R20.2@2060,1530.47
  Component Side w25: R25.2@950,2301.5 v1(950,2350) ; v1(1290,2140) 1320,2110 R24.2@1390.47,2110 ; C48.1@1417.5,1855.23 1420,1857.73 v1(1420,1910) ; C50.1@1500,1851.5 v1(1500,1910) ; R22.2@2409.53,1830 v1(2480,1830) ; R23.2@2409.53,1910 v1(2480,1910) ; R3.2@4241.5,2630 v1(4343.58,2630)
  Solder Side w14: 325.43,1693.15 U2.1@361.69,1729.41 ; U1.1@410.59,801.69 446.14,766.14 C2.1@446.14,732.28 ; U3.1@3391.02,1570.59 3393.31,1570.59 3429.49,1606.77 C13.1@3457.72,1606.77 ; U4.1@3491.02,1120.59 3491.02,1123.31 3523.94,1156.22 C17.1@3557.72,1156.22 ; U6.1@5088.31,740.59 5124.8,777.09 ; U5.1@5128.31,1530.59 5163.62,1565.91 C24.1@5195,1565.91
  Solder Side w15: C6.1@292.28,1693.15 325.43,1693.15 ; 5124.8,777.09 C28.1@5157.72,777.09
  Solder Side w20: J4.D36@3606.5,688.07 3606.5,646.5 3612.99,640 v1(3620,640) ; J4.D38@3706.5,688.07 3706.5,662.64 v1(3722.99,646.14) ; v1(3720,1050) C37.1@3772.6,1050 3772.99,1049.61 v1(3772.99,780) 3756.5,763.5 J4.C39@3756.5,738.07 ; J4.D40@3806.5,688.07 3861.93,688.07 v1(3865,685) 3952.4,685 C66.1@4000,732.6 4007.4,740 4071.5,740 C39.1@4080,748.5 ; v1(4080,690) C39.1@4080,748.5 ; C39.1@4081.5,750 C39.1@4080,748.5
  Solder Side w25: v1(222.28,1635.12) R2.1@222.28,1695.59 ; v1(292.28,1644.65) C6.1@292.28,1693.15 ; R1.1@443.7,662.28 v1(504.17,662.28) ; C2.1@446.14,732.28 v1(494.65,732.28) ; C1.1@781.5,1310 v1(830,1310) ; J5.4@1170,2650 1160,2640 1160,2397.4 C52.1@1150,2387.4 C54.1@1234.09,2387.4 ; v1(2810,1290) C12.1@2810,1338.5 ; C13.1@3457.72,1606.77 v1(3457.72,1655.28) ; R5.1@3527.72,1604.33 v1(3527.72,1664.8) ; C17.1@3557.72,1156.22 v1(3557.72,1204.72) ; R6.1@3627.72,1153.78 v1(3627.72,1214.25) ; v1(4575.43,1322.6) C23.1@4575.43,1381.1 ; C28.1@5157.72,777.09 v1(5157.72,825.59) ; C24.1@5195,1565.91 v1(5195,1614.41) ; R10.1@5227.72,774.65 v1(5227.72,835.12) ; R9.1@5265,1563.46 v1(5265,1623.94)
VSYNC_1: J1.7 J4.C10 | length 1580.7
  Component Side w10: J1.7@973.54,1192.6 974.32,1191.82 974.32,1115.68 1240,850 v1(2050,850)
  Solder Side w10: v1(2050,850) 2220,850 2306.5,763.5 J4.C10@2306.5,738.07
VSYNC_2: J2.7 J4.C23 | length 460.5
  Component Side w10: J2.7@2942.05,1192.6 2942.05,930 v1(2952.05,920)
  Solder Side w10: v1(2952.05,920) 2952.05,742.52 J4.C23@2956.5,738.07
VSYNC_3: J3.7 J4.H25 | length 2466.9
  Component Side w11: v1(4385,415) 4375,415 4713.7,753.7 J3.7@4713.7,1192.6
  Solder Side w11: J4.H25@3056.5,488.07 3055,486.57 3055,375 3150,280 4250,280 v1(4385,415)
VUSB: C58.2 C59.2 C60.1 SW2.1 SW2.2 U10.66 | length 1013.5
  Component Side w11: U10.66@1948.58,2268.86 1948.58,2328.58 1990,2370 C60.1@1990,2428.5
  Component Side w25: C60.1@1990,2428.5 C59.2@2050,2428.5 2078.5,2428.5 C58.2@2120,2470 2144.92,2470 SW2.1@2393.5,2718.58 SW2.2@2706.5,2718.58
XCLK_1: J1.13 J4.G2 R13.2 U10.21 | length 3282.1
  Component Side w10: v1@855.43,1244.57 J1.13@855.43,1192.6 855.43,1074.57 1250,680 1850,680 1910,620 v1(1910,590)
  Component Side w11: v1(840,1470) 930,1560 1650,1560 1672.99,1582.99 U10.21@1672.99,1751.14
  Solder Side w10: R13.2@459.53,1390 459.53,1370.47 625,1205 805,1205 v1(850,1250) ; J4.G2@1906.5,538.07 1910,541.57 v1(1910,590)
  Solder Side w11: v1(840,1470) 870,1440 870,1270 v1(850,1250)
XCLK_2: J2.13 J4.D20 R14.2 U10.31 | length 2334.4
  Component Side w10: v1(1869.84,1500.16) 1850,1520 1850,1600 1870,1620 ; 1869.84,1620.16 U10.31@1869.84,1751.14 ; v1(2780,640) 2755,665 2755,811.06 2823.94,880 J2.13@2823.94,1192.6 2823.94,1226.06 v1(2810,1240)
  Solder Side w10: v1(1869.84,1500.16) 2160,1210 2780,1210 v1(2810,1240) 2639.53,1410.47 R14.2@2639.53,1460 ; v1(2780,640) 2806.5,666.5 J4.D20@2806.5,688.07
XCLK_3: J3.13 J4.G37 R15.2 U10.60 | length 4899.9
  Component Side w11: U10.60@2118.86,2197.01 2119.14,2196.73 2208.27,2196.73 2300,2105 2325,2105 v1(2370,2060) ; v1(4405,675) 4595.59,865.59 J3.13@4595.59,1192.6 4595.59,1244.41 v1(4590,1250)
  Solder Side w11: v1(2370,2060) 2410,2060 2470,2120 2880,2120 2960,2040 3120,2040 3155,2075 3745,2075 4570,1250 v1(4590,1250) 4670,1170 4980.47,1170 R15.2@5000.47,1150 ; J4.G37@3656.5,538.07 3656.5,571.5 3677.5,592.5 4097.5,592.5 4210,705 4375,705 v1(4405,675)
XIN: C41.1 U10.12 X2.2 | length 447.1
  Component Side w10: C41.1@1200,2091.5 1221.66,2091.5 X2.2@1290,2023.15 1293.16,2020 1360,2020 1399.53,1980.47 U10.12@1601.14,1980.47
XOUT: C42.1 U10.13 X2.1 | length 447.1
  Component Side w10: C42.1@1200,1848.5 1221.65,1848.5 X2.1@1290,1916.85 ; X2.1@1290,1918.11 1293.16,1921.26 1360,1921.26 1399.53,1960.79 U10.13@1601.14,1960.79
XT2IN: C65.1 U10.69 X1.1 | length 471.1
  Component Side w11: C65.1@1791.5,2690 1796.77,2684.72 X1.1@1796.77,2607.24 1812.76,2607.24 1860,2560 1860,2380 1889.53,2350.47 U10.69@1889.53,2268.86
XT2OUT: C40.1 U10.70 X1.3 | length 464.4
  Component Side w11: C40.1@1550,2508.5 1554.25,2512.76 X1.3@1643.23,2512.76 1725.98,2430 1780,2430 1869.84,2340.16 U10.70@1869.84,2268.86
pads on no net: J4.0 J4.C2 J4.C3 J4.C6 J4.C7 J4.C27 J4.C35 J4.C37 J4.D1 J4.D4 J4.D5 J4.D8 J4.D9 J4.D15 J4.D29 J4.D30 J4.D31 J4.D32 J4.D33 J4.D34 J4.G3 J4.G19 J4.G31 J4.G39 J4.H1 J4.H40 J4.S1 J4.S2 J5.2 J5.6 J5.10 J5.12 J5.13 J5.14 U10.15 U10.16 U10.17 U10.48

## Polygon pours and split planes (outlines as drawn)
GND on Component Side "Component Side-No Net" (solid, remove dead copper, pour order 26): 300,300 50,300 50,2700 300,2700 300,2950 5200,2950 5200,2700 5450,2700 5450,300 5200,300 5200,50 300,50
NetD2_3 on Component Side "Component Side-No Net" (solid, pour order 0): 3103,2847 3104,2846 3104,2714 3104,2705 3094,2695 3094,2678 3094,2677 3106,2665 3109,2662 3230,2662 3230,2695 3119,2793 3118,2794 3118,2847
GND on Solder Side "Component Side-No Net" (solid, remove dead copper, pour order 28): 300,300 50,300 50,2700 300,2700 300,2950 5200,2950 5200,2700 5450,2700 5450,300 5200,300 5200,50 5150,50 300,50
GND on Ground Plane (split plane): 5479.9,20.1 20.1,20.1 20.1,2979.9 5479.9,2979.9
VCC1V3_3 on Power Plane (split plane): 5027.44,1588.13 4906.87,1467.56 4770,1467.56 4768.04,1467.31 4766.97,1466.86 4766.22,1466.55 4764.65,1465.35 4734.65,1435.35 4733.45,1433.78 4733.14,1433.03 4732.69,1431.96 4732.44,1430 4732.44,1330 4732.44,1217.56 4627.56,1217.56 4627.56,1420 4627.56,1616.87 4753.13,1742.44 5027.44,1742.44
VCC1V3_2 on Power Plane (split plane): 3422.44,1627.56 3210,1627.56 3208.04,1627.31 3206.22,1626.55 3204.65,1625.35 2944.65,1365.35 2943.45,1363.78 2943.14,1363.03 2942.69,1361.96 2942.44,1360 2942.44,1177.56 2867.56,1177.56 2867.56,1822.44 3422.44,1822.44
VCC2V8_3 on Power Plane (split plane): 4902.44,1256.87 4902.44,1060 4902.69,1058.04 4903.14,1056.97 4903.45,1056.22 4904.65,1054.65 4992.44,966.87 4992.44,763.13 4926.87,697.56 4833.13,697.56 4747.56,783.13 4747.56,1322.44 4836.87,1322.44
VCC2V8_2 on Power Plane (split plane): 3402.44,1007.56 2957.56,1007.56 2957.56,1170 2957.56,1352.44 3402.44,1352.44
VCC2V8_1 on Power Plane (split plane): 1085.99,1488.34 1085.99,1174.01 974.01,1174.01 974.01,1310 974.01,1340 973.71,1341.54 972.84,1342.84 922.84,1392.84 921.54,1393.71 920,1394.01 621.66,1394.01 454.01,1561.66 454.01,1658.34 501.66,1705.99 868.34,1705.99
VCC1V3_1 on Power Plane (split plane): 965.99,1170 965.99,1031.66 798.34,864.01 511.66,864.01 444.01,931.66 444.01,1028.34 541.66,1125.99 740,1125.99 741.54,1126.29 742.84,1127.16 921.66,1305.99 965.99,1305.99
VCC3V3 on Power Plane (split plane): 5479.9,20.1 20.1,20.1 20.1,2979.9 5479.9,2979.9

## Other copper
Power Plane (plane layer: these items are gaps in the copper):
  lines w7.87: 440,930 510,860 800,860 970,1030 970,1310 920,1310 740,1130 540,1130 440,1030 440,930 ; 450,1560 620,1390 920,1390 970,1340 970,1170 1090,1170 1090,1490 870,1710 500,1710 450,1660 450,1560
  lines w15: 2950,1170 2950,1360 ; 2950,1170 2950,1000 3410,1000 3410,1360 2950,1360 ; 2950,1170 2860,1170 2860,1830 2870,1830 2920,1830 3420,1830 3430,1830 3430,1620 3210,1620 2950,1360 ; 4620,1210 4740,1210 4740,1430 4770,1460 4910,1460 5035,1585 5035,1750 4750,1750 4620,1620 4620,1420 4620,1210 ; 4740,780 4740,1330 4840,1330 4910,1260 4910,1060 5000,970 5000,760 4930,690 4830,690 4740,780

## Silkscreen, mask and mechanical layers (free items; w line width, h text height)
Top Overlay:
  text "FMC_Stereo_Cam_V1R1 / Steven Long/Adam Perkins / .Print_Date" at 3530,1990 h60
Mechanical 5:
  the board outline again, w7.87

## Dimensions
0,3000 to 5500,3000 on Mechanical 5
0,3000 to 0,0 on Mechanical 5

## Text inside footprints (layer, text, board x,y; h text height)
J1: Top Overlay "24" at 530.63,1133.54 h35; Top Overlay "1" at 1131.02,1133.54 h35
J2: Top Overlay "24" at 2499.13,1133.54 h35; Top Overlay "1" at 3099.53,1133.54 h35
J3: Top Overlay "24" at 4270.79,1133.54 h35; Top Overlay "1" at 4871.18,1133.54 h35
J5: Top Overlay "1" at 1495,2820 h35